# Allegro board AX7021B.brd (continued)
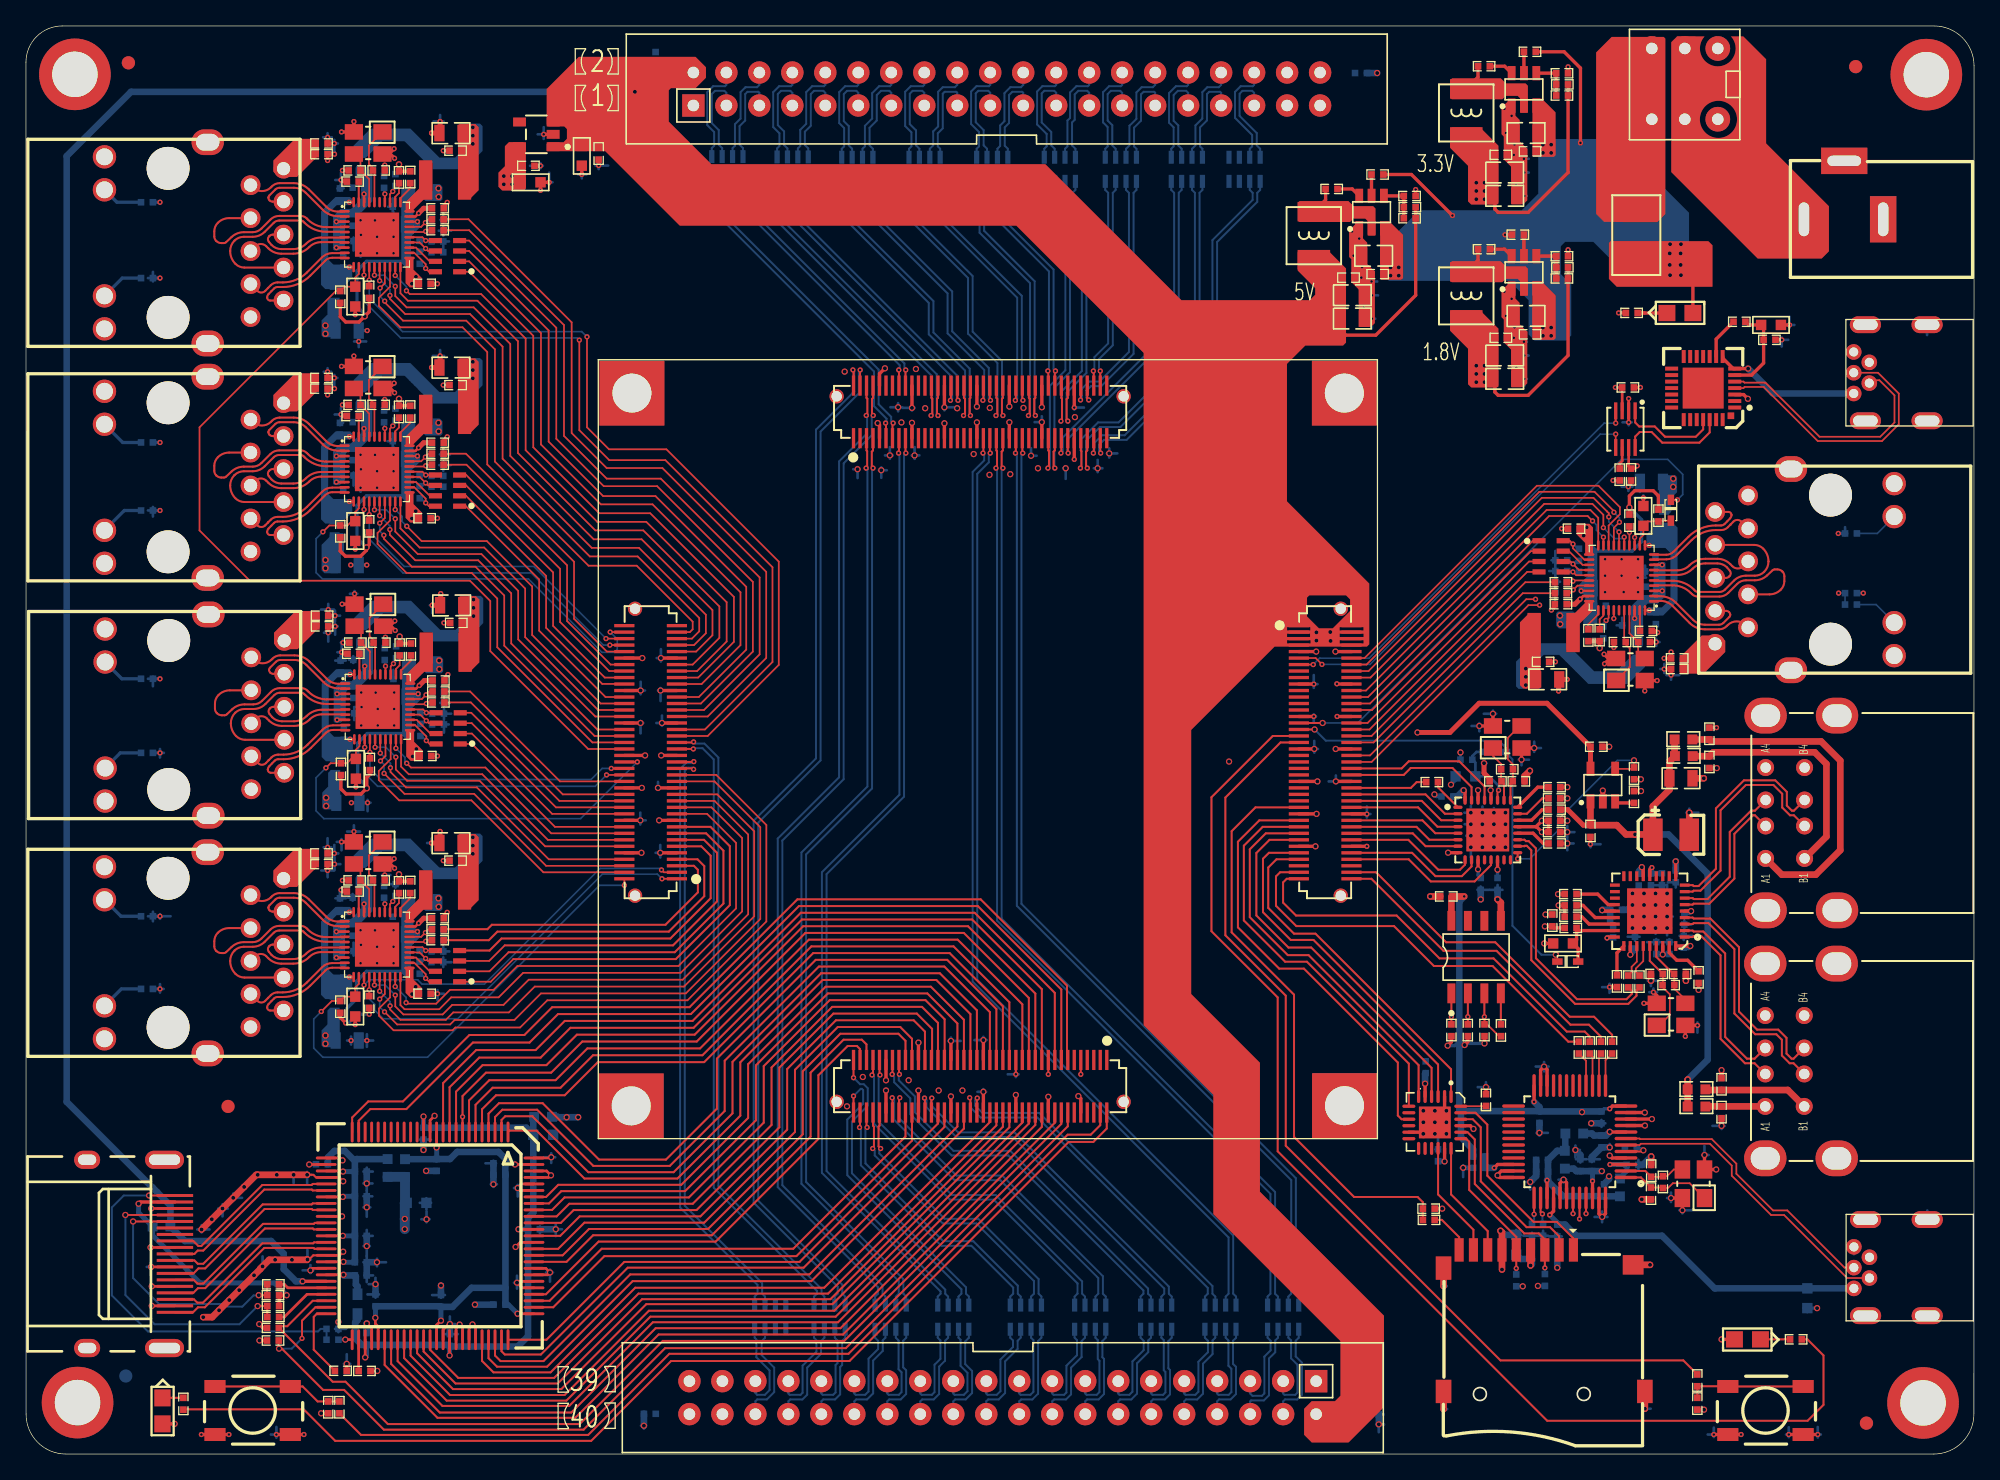
[diagram p0: board, top side]
## Copper pours and planes (outline as drawn; the poured copper is in the pictures) (continued)
PHY4_DVDDL on BOTTOM (solid shape): 35.16,84.23 35.16,82.32 33.75,80.91 31.3,80.91 29.15,83.06 27.44,83.06 26.21,81.83 25.38,81.83 25.22,81.99 25.22,82.71 26.54,84.04 29.6,84.04 31.84,81.8 33.04,81.8 33.79,82.55 33.79,84.19 34.01,84.42 34.97,84.42
PHY4_DVDDL on SVCC: 33.75,84.57 34.97,84.57 35.18,84.36 35.18,73.8 35.18,73.79 35.18,73.6 32.83,71.25 29.52,71.25 29.13,71.64 29.13,72.66 29.48,73.01 31.3,73.01 33.35,75.06 33.35,84.17
PHY4_IODVDD on BOTTOM (solid shape): 29.84,79.42 29.84,77.26 30.01,77.09 30.23,77.09 30.35,76.97 30.35,76.44 29.65,75.73 29.65,73.44 29.6,73.4 29.19,73.4 28.9,73.68 28.9,79.34 29.08,79.52 29.74,79.52
PHY4_REGOUT on TOP (solid shape): 31.29,81.4 31.29,79.24 29.62,77.57 29.27,77.57 29.24,77.6 29.24,78.38 30.28,79.42 30.28,81.5 30.3,81.52 31.17,81.52
PHY5_ADVDDL on BOTTOM (solid shape): 26.67,98.7 26.67,96.48 25.44,95.26 24.76,95.26 24.63,95.12 24.63,94.59 24.57,94.53 24.57,93.1 24.17,92.71 23.73,92.71 23.65,92.79 23.65,95.33 24.22,95.91 25.02,95.91 25.82,96.7 25.82,97.84 25.38,98.28 25.38,99.1 25.42,99.14 26.23,99.14
PHY5_AVDD33 on BOTTOM (solid shape): 25.12,96.67 25.12,96.34 24.97,96.2 23.92,96.2 23.27,95.54 23.27,92.02 23.67,91.62 25.03,91.62 25.12,91.53 25.12,90.59 24.27,89.73 23.05,89.73 22.72,90.06 22.72,95.72 23.83,96.83 24.96,96.83
PHY5_DVDDL on TOP (solid shape): 34.86,102.19 34.86,97.35 34.16,96.65 33.28,96.65 33.27,96.66 33.27,102.35 33.37,102.45 34.61,102.45
PHY5_DVDDL on TOP (solid shape): 29.84,92.12 29.84,91.23 30.5,90.57 30.5,89.91 30.46,89.87 29.55,89.87 29.23,90.19 29.23,92.09 29.36,92.22 29.74,92.22
PHY5_DVDDL on BOTTOM (solid shape): 35.16,102.29 35.16,100.38 33.75,98.96 31.3,98.96 29.15,101.12 27.44,101.12 26.21,99.89 25.38,99.89 25.22,100.05 25.22,100.77 26.54,102.1 29.6,102.1 31.84,99.86 33.04,99.86 33.79,100.61 33.79,102.25 34.01,102.48 34.97,102.48
PHY5_DVDDL on SVCC: 34.02,102.52 35.24,102.52 35.45,102.32 35.45,92.17 32.49,89.21 29.79,89.21 29.4,89.59 29.4,90.62 29.75,90.96 30.93,90.96 33.62,93.65 33.62,102.12
PHY5_IODVDD on BOTTOM (solid shape): 29.84,97.48 29.84,95.32 30.01,95.15 30.23,95.15 30.35,95.03 30.35,94.5 29.65,93.79 29.65,91.5 29.6,91.46 29.19,91.46 28.9,91.74 28.9,97.4 29.08,97.58 29.74,97.58
PHY5_REGOUT on TOP (solid shape): 31.29,99.46 31.29,97.3 29.62,95.63 29.27,95.63 29.24,95.66 29.24,96.44 30.28,97.48 30.28,99.56 30.3,99.58 31.17,99.58
RGMII_VCC on TOP (solid shape): 38.49,100.82 38.49,97.48 38.34,97.33 36.67,97.33 36.38,97.61 36.38,98.7 36.88,99.2 36.88,100.74 37.19,101.05 38.27,101.05
RGMII_VCC on BOTTOM (solid shape): 32.07,97.61 32.07,96.64 31.94,96.51 30.76,96.51 30.66,96.62 30.66,97.69 30.79,97.82 31.86,97.82
RGMII_VCC on BOTTOM (solid shape): 32.07,79.55 32.07,78.58 31.94,78.45 30.76,78.45 30.66,78.56 30.66,79.63 30.79,79.76 31.86,79.76
RGMII_VCC on BOTTOM (solid shape): 32.07,42.92 32.07,41.96 31.94,41.83 30.76,41.83 30.66,41.93 30.66,43.01 30.79,43.14 31.86,43.14
RGMII_VCC on BOTTOM (solid shape): 32.12,61.24 32.12,60.27 31.99,60.14 30.81,60.14 30.71,60.25 30.71,61.32 30.84,61.45 31.91,61.45
RGMII_VCC on SVCC: 30.52,96.81 30.81,96.52 32.47,96.52 33.25,97.3 33.25,102.35 33.85,102.95 35.47,102.95 35.96,102.47 35.96,91.95 31.2,87.19 31.2,78.69 31.44,78.45 32.18,78.45 33,79.27 33,84.49 33.63,85.11 34.94,85.11 35.52,84.54 35.52,73.2 31.17,68.85 31.17,60.28 31.4,60.05 32.67,60.05 33.12,60.51 33.12,65.99 33.81,66.69 35.29,66.69 35.68,66.29 35.68,55.1 30.72,50.13 30.72,42.37 31.28,41.8 32.21,41.8 32.99,42.58 32.99,47.78 33.57,48.37 35.16,48.37 41.73,54.93 41.73,104.61 40.03,106.31 31.63,106.31 30.52,105.2
N17796323 on TOP (solid shape): 128.56,109.19 129.26,109.19 129.23,109.16 129.16,109.07 129.11,108.99 129.05,108.9 129.01,108.8 128.97,108.7 128.94,108.6 128.92,108.5 128.91,108.4 128.9,108.29 128.9,108.19 128.91,108.09 128.93,107.98 128.96,107.88 128.99,107.78 129.03,107.69 129.08,107.6 129.13,107.51 129.19,107.42 129.26,107.34 129.33,107.27 129.41,107.2 129.49,107.14 129.58,107.08 129.67,107.03 129.77,106.99 129.87,106.95 129.97,106.93 130.07,106.91 130.17,106.9 130.28,106.89 130.38,106.9 130.49,106.91 130.59,106.93 130.69,106.95 130.79,106.99 130.88,107.03 130.97,107.08 131.06,107.14 131.14,107.2 131.22,107.27 131.3,107.34 131.36,107.42 131.42,107.51 131.48,107.6 131.53,107.69 131.57,107.78 131.6,107.88 131.62,107.98 131.64,108.09 131.65,108.19 131.65,108.29 131.65,108.4 131.63,108.5 131.61,108.6 131.58,108.7 131.55,108.8 131.5,108.9 131.45,108.99 131.39,109.07 131.33,109.16 131.29,109.19 132.25,109.19 134,107.44 134,100.95 138.84,96.11 138.84,92.65 138.28,92.09 133.35,92.09 126.7,98.74 126.7,102.86 128.9,102.86 128.9,102.75 128.91,102.65 128.92,102.54 128.95,102.44 128.98,102.33 129.02,102.23 129.06,102.14 129.12,102.04 129.18,101.96 129.24,101.87 129.32,101.79 129.4,101.72 129.48,101.65 129.57,101.59 129.66,101.54 129.76,101.49 129.86,101.46 129.96,101.42 130.06,101.4 130.17,101.38 130.28,101.38 130.38,101.38 130.49,101.38 130.59,101.4 130.7,101.42 130.8,101.46 130.9,101.49 131,101.54 131.09,101.59 131.18,101.65 131.26,101.72 131.34,101.79 131.41,101.87 131.48,101.96 131.54,102.04 131.59,102.14 131.64,102.23 131.68,102.33 131.71,102.44 131.73,102.54 131.75,102.65 131.76,102.75 131.76,102.86 131.75,102.97 131.73,103.07 131.71,103.18 131.68,103.28 131.64,103.38 131.59,103.47 131.54,103.57 131.48,103.66 131.41,103.74 131.34,103.82 131.26,103.89 131.18,103.96 131.09,104.02 131,104.07 130.9,104.12 130.8,104.16 130.7,104.19 130.59,104.21 130.49,104.23 130.38,104.24 130.28,104.24 130.17,104.23 130.06,104.21 129.96,104.19 129.86,104.16 129.76,104.12 129.66,104.07 129.57,104.02 129.48,103.96 129.4,103.89 129.32,103.82 129.24,103.74 129.18,103.66 129.12,103.57 129.06,103.47 129.02,103.38 128.98,103.28 128.95,103.18 128.92,103.07 128.91,102.97 128.9,102.86 126.7,102.86 126.7,108.75 127.15,109.21 128.55,109.21
N19724336 on TOP (solid shape): 126.24,109.03 126.24,95.52 125.62,94.89 122.98,94.89 122.95,94.92 121.53,94.92 120.91,95.54 120.91,107.96 121.15,108.2 122.11,109.16 126.11,109.16
N20563058 on TOP (solid shape): 102.22,96.12 103.74,96.12 103.92,95.94 103.92,93.92 103.87,93.88 103.38,93.88 103.33,93.93 103.33,94.97 103.14,95.16 102.22,95.16 101.95,94.9 98.06,94.9 97.94,95.02 97.94,96.37 98.08,96.51 101.83,96.51
N20564779 on TOP (solid shape): 113.96,105.58 115.47,105.58 115.65,105.4 115.65,103.38 115.61,103.33 115.12,103.33 115.06,103.39 115.06,104.42 114.87,104.62 113.95,104.62 113.69,104.35 109.8,104.35 109.68,104.47 109.68,105.83 109.82,105.96 113.57,105.96
N20565808 on TOP (solid shape): 113.96,91.49 115.47,91.49 115.65,91.3 115.65,89.29 115.61,89.24 115.12,89.24 115.06,89.3 115.06,90.33 114.87,90.53 113.95,90.53 113.69,90.26 109.8,90.26 109.68,90.38 109.68,91.74 109.82,91.87 113.57,91.87
N20568243 on TOP (solid shape): 130.85,62.64 130.85,61.78 129.19,60.11 127.44,60.11 127.34,60.21 127.34,61.35 129.04,63.05 130.45,63.05
N20572137 on TOP (solid shape): 22.56,46.52 22.56,45.38 20.87,43.68 19.46,43.68 19.05,44.09 19.05,44.95 20.72,46.62 22.47,46.62
N20577515 on TOP (solid shape): 22.61,64.83 22.61,63.69 20.92,62 19.51,62 19.1,62.41 19.1,63.26 20.77,64.93 22.52,64.93
N20581593 on TOP (solid shape): 22.56,83.15 22.56,82.01 20.87,80.31 19.46,80.31 19.05,80.72 19.05,81.58 20.72,83.24 22.47,83.24
N20586206 on TOP (solid shape): 22.56,101.21 22.56,100.07 20.87,98.37 19.46,98.37 19.05,98.78 19.05,99.64 20.72,101.3 22.47,101.3

## Text on the board
Ref Des/Silkscreen Bottom: AX7021B V1.0
Ref Des/Silkscreen Top: 5V | 3.3V | 1.8V | 39 | 40 | 2 | 1
User.11: LINE WITH IMPEDANCE CHART FOR REFERENCE | L1 | L4 | L2 | L3 | (GND) | (POWER) | LAYER 1      L1 TOP | LAYER 2      L2 GND | LAYER 3      L3 VCC | LAYER 4      L4 BOTTOM | SINGLE ENDED | 50ohm | WIDTH | - | TOP SIDE | 6mil | (WIDTH/SPACE) | 6mil/8mil | 3.5mil/12mil | DIFF-PAIR | 100ohm | 0.5oz | 1oz
User.45: FIGURE | SIZE | 8.0 | 11.81 | 12.0 | 27.56 | 31.5 | 35.0 | 40.0 | 51.18 | 118.11 | 137.8 | 21.66 | 129.92 | 55.12x31.5 | 70.87x50.87 | 74.8x31.5 | 88.42x68.42 | 94.49x31.5 | 102.36x31.5 | DRILL CHART: TOP to BOTTOM | ALL UNITS ARE IN MILS | TOLERANCE | +3.0/-3.0 | +0.0/-0.0 | PLATED | NON-PLATED | QTY | 459 | 82 | 320 | 10 | 16 | 80 | 6 | 50 | 20 | 4 | 8 | 2 | 1
